# Altium PCB Remote.PcbDoc (part 2 of 2)
Units mm, origin at the board's own origin, x right, y up, seen from the top; angles counter-clockwise.
Board outline 100 x 100 mm, 2 copper layers (Top Layer, Bottom Layer); 130 components, 79 nets, 375 pads, 307 vias.
Unrouted connection lines stored in the file: 69.
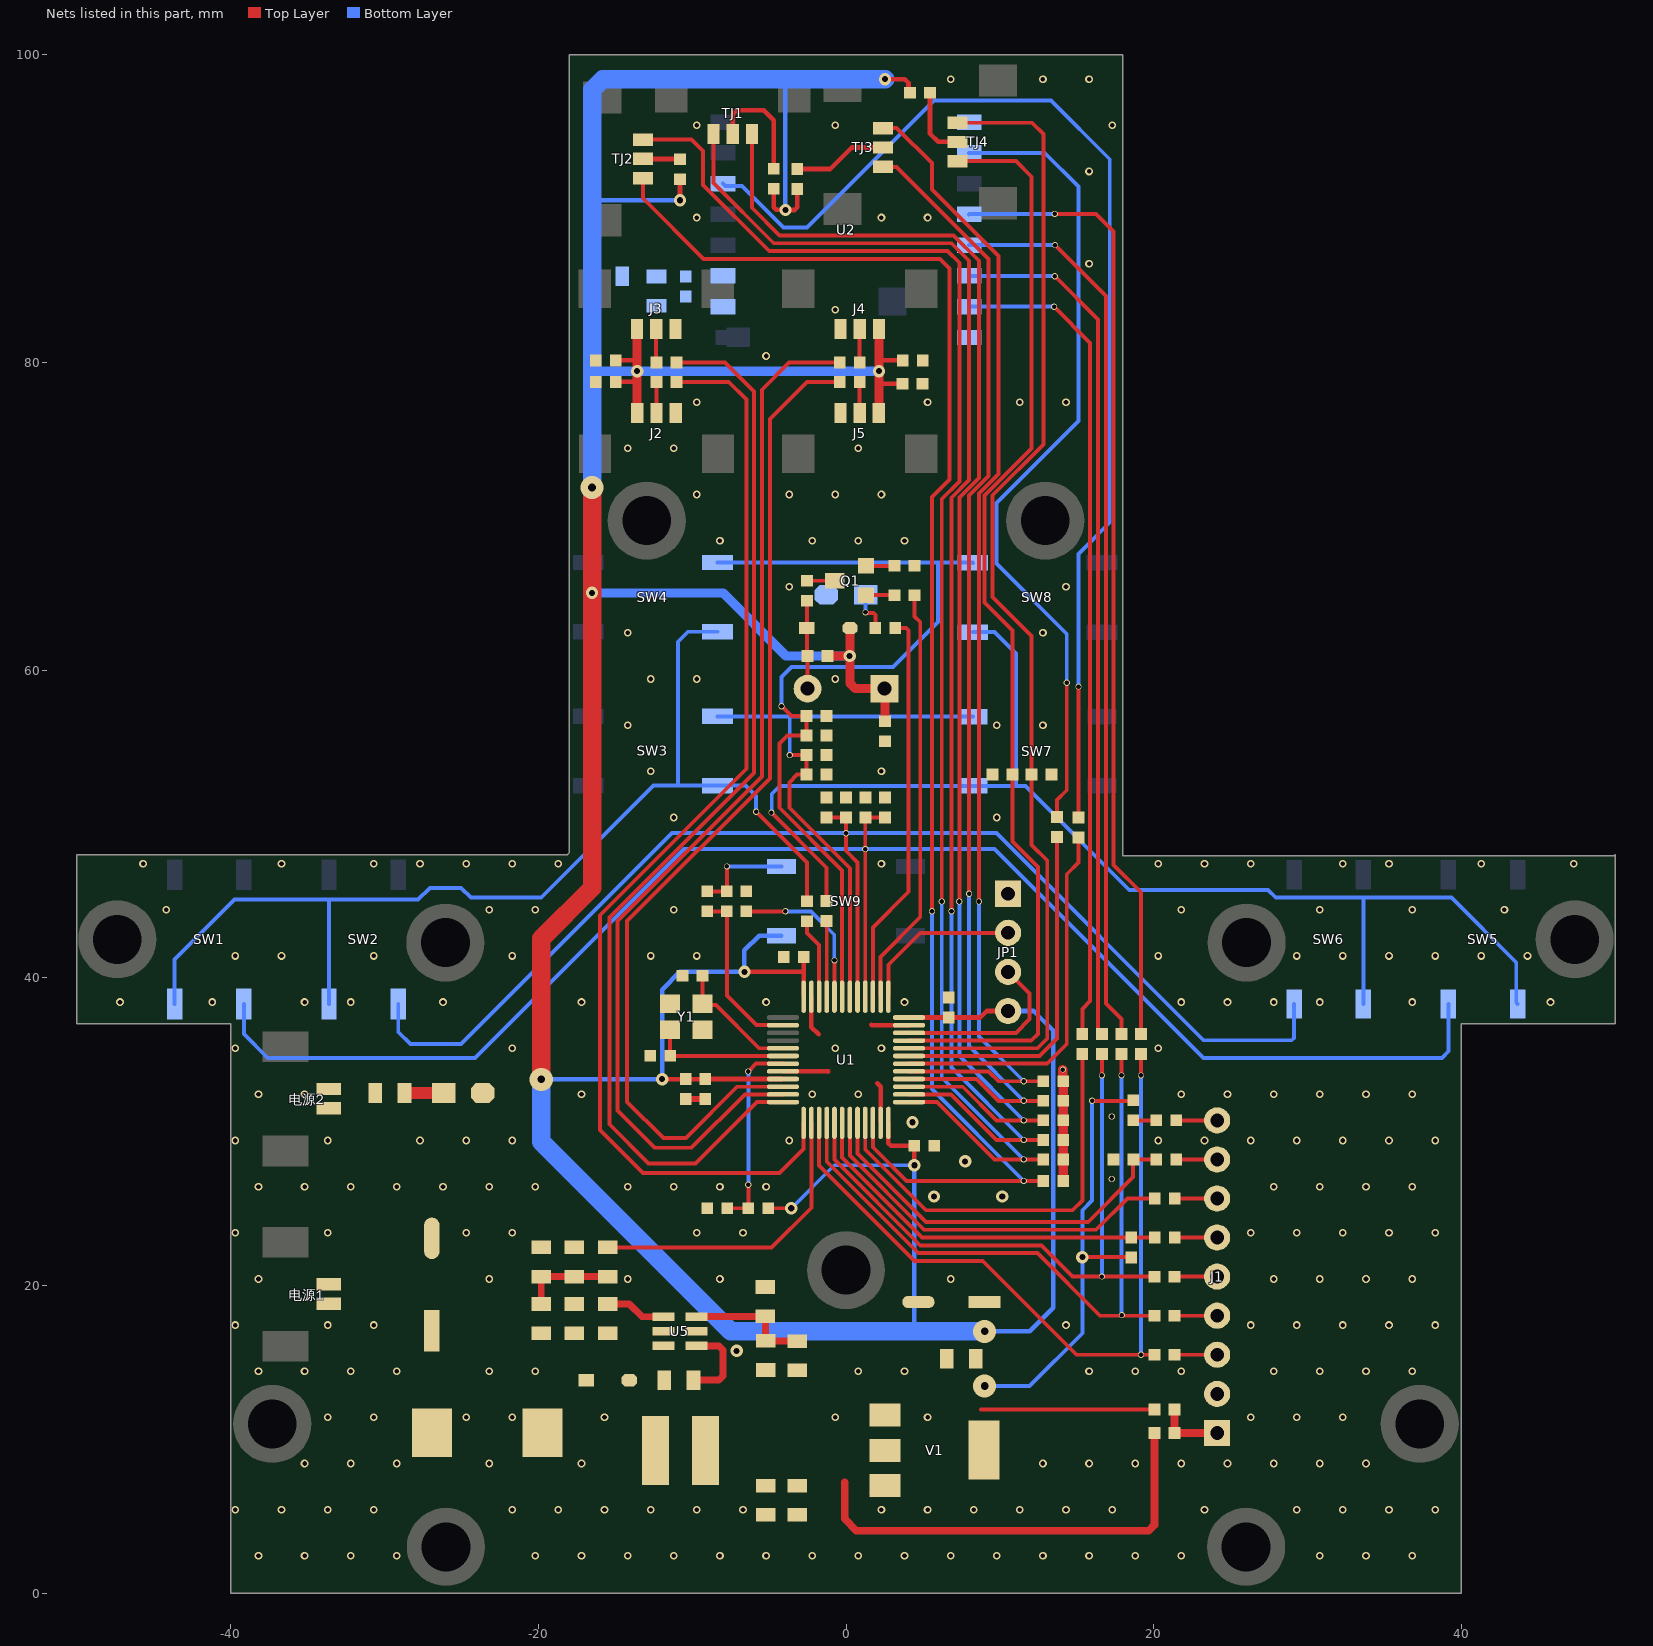
[diagram p2: the nets of this part, all layers, seen from the top]

## Part data
C1 C2 C3 C4 C5 C6 C7 C8 C27 C28: library part 普通电容, "Capacitor"
C9 C10 C11 C12 C13 C14 C15 C16 C17 C18 C19 C20 C21 C22 C23 C24 C25 C26 C32 C33 C34 C35 C36 C37 C38 C39: library part C, "无极性贴片电容", BOM名称=无极性贴片电容, 学习资源=www.ooocke.com, 版权归属=源创客
D1: library part SR540, "肖特基二极管                           电压:40V 电流:1A                 C7420331", BOM名称=整流二极管, 学习资源=www.ooocke.com, 属性="40V  5A", 版权归属=源创客
DZ2: library part 1N4106, "TVS 15V截止 峰值浪涌电流：123A                   C438153", BOM名称=12V/0.5W稳压管, 学习资源=www.ooocke.com, 版权归属=源创客
DZ3: library part 1N5256, "电压:40V 电流:1A                                C7420331", BOM名称=30V/0.5W稳压管, 学习资源=www.ooocke.com, 版权归属=源创客
E1: library part C-CS, "JVJ50V47M6x8                        47uF ±20% 50V                            C46550421", BOM名称=直插固态电容, 学习资源=www.ooocke.com, 版权归属=源创客
E2: library part C-CS, "47uF ±20% 10V                           C48970978", BOM名称=直插固态电容, 学习资源=www.ooocke.com, 版权归属=源创客
J1: "Connector"
J2 J3 J4 J5 TJ1 TJ2 TJ3 TJ4: "HCZZ0015-3             C7433469", LatestRevisionDate=17-Jul-2002, LatestRevisionNote="Re-released for DXP Platform.", PackageReference=AXIAL-0.6, Published=8-Jun-2000, Publisher="Altium Limited", Set Position=0.5
JP1: library part "Header 4", "4P接插件", BOM名称=4P接插件, 学习资源=www.ooocke.com, 版权归属=源创客
L1: library part L-CD, "YP0402-6R8M                          C576569", BOM名称=功率电感, 学习资源=www.ooocke.com, 版权归属=源创客
LED1 LED2: library part LED-SMD, "贴片LED", BOM名称=贴片LED, 学习资源=www.ooocke.com, 版权归属=源创客
Q1: library part IRF840, "N沟场效应管", BOM名称=N沟场效应管, 学习资源=www.ooocke.com, 版权归属=源创客
R1 R2 R3 R4 R5 R6 R8 R9 R10 R11 R29 R31 R32 R33 R34 R35 R36 R37 R38 R47: library part 普通电阻
R7 R12 R13 R14 R15 R16 R17 R18 R19 R20 R21 R22 R23 R24 R25 R26 R27 R28 R39 R40 R41 R42 R43 R44 R45 R46: library part R, "贴片电阻", BOM名称=贴片电阻, 学习资源=www.ooocke.com, 版权归属=源创客
R30: library part R, "磁珠", BOM名称=贴片电阻, 学习资源=www.ooocke.com, 版权归属=源创客
SW1 SW2 SW3 SW4 SW5 SW6 SW7 SW8 SW9: library part "TSW SMD-6x6", "KH-6X6X5H-STM     C2837531", BOM名称=贴片6x6轻触开关, 学习资源=www.ooocke.com, 版权归属=源创客
U1: "Flaah:64/RAM:20/IO:36", BOM名称=32位STM单片机, 学习资源=www.ooocke.com, 版权归属=源创客
U2: "发射功率:22dBm;接口类型:SPI;接收灵敏度:-140dBm;", JLCPCB Part Class="Extended Part", LCSC Part Name="两件套 LoRa 系列模块 两件套", Manufacturer=Ai-Thinker(安信可), Operating Temperature=-40℃~+85℃, Output Power=22dBm, Receive  Current=4.5mA, Send  Current=140mA, Voltage - Supply=3.3V, AddInBom=yes, Antenna Type=IPEX接口, ConvertToPcb=yes, Datasheet=https://item.szlcsc.com/datasheet/Ra-01S/770920.html, Device=Ra-01S, FootprintName=COMM-SMD_RA-01S, Interface Type=SPI, ManufacturerPart=Ra-01S, ModelId=bfb9ea955ff445c193018999188b6f80聨0819f05c4eef4c71ace90d822a990e87, ModelName=COMM-SMD_L17.0-W16.0-H3.2-RA-01S, ModelTransform=629.92,669.29,0,0,0,0,0.001,0,0, Modulation System=LoRa；OOK；MSK；GFSK；FSK；GMSK, Sensitivity=-140dBm, Supplier=LCSC, Supplier Footprint=SMD,17x16mm, SupplierPart=C724871, Symbol=RA-01S
U5: "ME3116AM6G / ME3116是一款内部集成了MOSFET的异步整流降压型稳压器,能够在4.75V至40V的输入电压范围内提供高达1A的负载能力。采用PWM控制模式,具有良好的瞬态响应和逐周期限流功能。在轻载条件下自动切换到PFM模式,保证较高的轻载效率。内置软启动和环路补偿,具有过热关断、输入欠压保护、BS欠压保护和短路保护。", JLCPCB Part Class="Extended Part", Manufacturer=MICRONE(南京微盟), Manufacturer Part=ME3116AM6G, spicePre=U, spiceSymbolName=ME3116, Supplier=LCSC, Supplier Part=C97643
V1: library part AMS1117, "三端稳压芯片", BOM名称=稳压芯片, 学习资源=www.ooocke.com, 版权归属=源创客
Y1: library part XTAL-4P, "4脚无源晶振", BOM名称=4脚无源晶振, 学习资源=www.ooocke.com, 版权归属=源创客
电源1 电源2: LatestRevisionDate=17-Jul-2002, LatestRevisionNote="Re-released for DXP Platform.", PackageReference=AXIAL-0.6, Published=8-Jun-2000, Publisher="Altium Limited", Set Position=0.5

## Via types
v1: diameter 0.5, hole 0.3, Top Layer to Bottom Layer, 246 vias
v2: diameter 0.4, hole 0.3, Top Layer to Bottom Layer, 40 vias
v3: diameter 0.8, hole 0.4, Top Layer to Bottom Layer, 17 vias
v4: diameter 1.5, hole 0.5, Top Layer to Bottom Layer, 4 vias

## Nets (pads, with @x,y where several pads share a name; then routed paths per layer and width w, separated by ;. In a path a pad name is that pad's centre, name@x,y a point inside that pad or via, vN(x,y) a via of type N, cw(c..) or ccw(c..) an arc to the next point about the centre after c; other vN are vias at no path point)
3v3: b1.1 C4.1 C5.1 C6.1 C7.1 C8.1 C9.1 C10.2 C15.1 C16.2 C21.2 C26.2 C36.2 D1.2 E2.1 J2.1 J3.3 J4.1 J5.3 JP1.4 R8.2 R11.2 R24.2 R25.2 R26.2 R27.2 R30.1 R31.1 R33.1 SW9.1 U1.9 U1.24 U1.36 U1.48 V1. V1.2 | length 345.9
  Top Layer w0.254: R11.2@-5.05,25.019 v3(-3.556,25.019) ; 8.763,11.938 R8.2@20.051,11.938 ; v3(15.367,21.844) 18.512,21.844 R31.1@18.542,21.814 ; v2(16.002,32.004) 18.639,32.004 R33.1@18.669,32.034
  Top Layer w0.3: C10.2@-14.971,78.74 -13.706,78.74 -13.579,78.613 ; C9.1@-14.971,80.137 -13.706,80.137 -13.579,80.264 ; v3(-11.953,33.416) C4.1@-10.414,33.416 C5.1@-9.144,33.416 -9.139,33.421 U1.9@-4.1,33.421 ; v3(-10.795,90.551) R25.2@-10.795,91.918 ; v3(-6.604,40.386) -2.75,40.386 ; R24.2@-4.699,91.298 -4.699,90.107 -4.523,89.932 -3.953,89.932 v3(-3.937,89.916) -3.351,89.916 -3.175,90.092 R26.2@-3.175,91.283 ; U1.48@-2.75,38.771 -2.75,40.386 ; C6.1@-2.75,41.358 -2.75,40.386 ; 2.139,78.486 2.266,78.613 C16.2@3.668,78.613 ; 2.139,80.137 C15.1@3.683,80.137 ; v3(2.54,98.425) 3.81,98.425 4.064,98.171 4.064,97.633 R27.2@4.161,97.536 ; U1.24@2.75,30.571 2.75,29.259 2.926,29.083 C8.1@4.445,29.083 v3(4.445,27.813) ; U1.36@4.1,37.421 C7.1@6.687,37.421 8.719,37.421 9.144,37.846 JP1.4@10.541,37.846
  Top Layer w0.6: J3.3@-13.589,82.169 -13.579,82.159 -13.579,80.264 v3(-13.579,79.438) -13.579,78.613 -13.579,76.718 J2.1@-13.569,76.708 ; C21.2@-1.2,60.92 v3(0.235,60.92) v3@0.26,60.945 ; D1.2@0.26,62.738 v3@0.26,60.945 ; J5.3@2.139,76.708 2.139,78.486 v3(2.139,79.438) 2.139,80.137 J4.1@2.139,82.169 ; C26.2@2.54,56.672 2.54,58.761 b1.1@2.5,58.801 0.611,58.801 0.26,59.152 v3@0.26,60.945
  Top Layer w1.2: v4(-19.812,33.401) -19.812,42.545 -16.51,45.847 v4(-16.51,71.882)
  Bottom Layer w0.254: v3(-3.556,25.019) -0.762,27.813 v3(4.445,27.813) ; v4(9.017,13.462) 11.938,13.462 15.367,16.891 v3(15.367,21.844) 15.367,24.892 16.002,25.527 v2(16.002,32.004)
  Bottom Layer w0.3: v4(-19.812,33.401) v3@-11.968,33.401 ; -16.51,90.424 -16.383,90.551 v3(-10.795,90.551) ; v3(-11.953,33.416) -11.953,39.228 -10.795,40.386 v3(-6.604,40.386) -6.604,41.783 -5.648,42.739 SW9.1@-4.2,42.739 ; v3(-3.937,89.916) -3.937,98.425 ; 4.445,17.018 v3(4.445,27.813) ; v4(9.017,17.018) 11.938,17.018 13.462,18.542 13.462,36.576 12.192,37.846 JP1.4@10.541,37.846
  Bottom Layer w0.6: v3(-16.51,65.024) -8.001,65.024 -3.897,60.92 v3(0.235,60.92) ; -16.51,79.438 v3(-13.579,79.438) v3(2.139,79.438)
  Bottom Layer w1.2: v4(-19.812,33.401) -19.812,29.337 -7.493,17.018 4.445,17.018 v4(9.017,17.018) ; v4(-16.51,71.882) -16.51,79.438 -16.51,90.424 -16.51,97.722 -15.807,98.425 -3.937,98.425 v3(2.54,98.425)
3V3_Lora: C27.1 C28.1 R30.2 U2.3
5V: C34.2 C35.2 C38.2 L1.2 R9.2 R43.2 V1.3 | length 29.9
  Top Layer w0.5: -0.09,7.201 -0.09,4.828 0.674,4.064 19.685,4.064 20.051,4.43 R9.2@20.051,10.414 ; V1.3@1.787,6.486 2.286,6.985 V1.3@2.54,6.985
12V: C37.2 DZ2.2 E1.1 R39.2 R41.1 R44.1 U5.5 电源1.1 电源2.1
12V_ADC: R40.2 U1.14 | length 19.8
  Top Layer w0.254: R40.2@-15.494,22.474 -4.831,22.474 -2.25,25.055 U1.14@-2.25,30.571
BEEP: R28.1 U1.38 | length 27.3
  Top Layer w0.254: U1.38@2.25,38.771 2.25,41.366 4.826,43.942 4.826,63.119 4.445,63.5 4.445,64.867 R28.1@4.454,64.876
BUSY: R3.2 U2.10 | length 53.2
  Top Layer w0.254: R3.2@13.716,50.449 13.716,51.562 14.351,52.197 v2(14.351,59.182)
  Bottom Layer w0.254: U2.10@8.001,93.63 12.923,93.63 15.113,91.44 15.113,76.2 9.779,70.866 9.779,66.929 14.351,62.357 v2@14.351,59.309
CH1: R13.2 U1.13 | length 73.2
  Top Layer w0.254: R13.2@-11.019,78.74 -7.62,78.74 -6.477,77.597 -6.477,53.594 -16.002,44.069 -16.002,30.099 -13.208,27.305 -4.318,27.305 -2.75,28.873 U1.13@-2.75,30.571
CH2: R14.2 U1.12 | length 71.3
  Top Layer w0.254: R14.2@-11.019,79.995 -7.859,79.995 -5.969,78.105 -5.969,53.325 -15.367,43.927 -15.367,30.48 -12.827,27.94 -9.779,27.94 -5.798,31.921 U1.12@-4.1,31.921
CH3: R20.2 U1.11 | length 69.7
  Top Layer w0.254: U1.11@-4.1,32.421 -6.568,32.421 -10.033,28.956 -12.446,28.956 -14.859,31.369 -14.859,43.688 -5.461,53.086 -5.461,78.232 -3.698,79.995 R20.2@-0.411,79.995
CH4: R21.2 U1.10 | length 66.2
  Top Layer w0.254: U1.10@-4.1,32.921 -7.084,32.921 -10.414,29.591 -11.874,29.591 -14.224,31.941 -14.224,43.688 -4.953,52.959 -4.953,76.327 -2.54,78.74 R21.2@-0.411,78.74
DIO1: R2.2 U2.6 | length 75
  Top Layer w0.254: R2.2@15.113,50.419 v2(15.113,58.928)
  Bottom Layer w0.254: U2.6@-7.999,91.63 -7.845,91.476 -6.767,91.476 -4.064,88.773 -2.54,88.773 5.715,97.028 13.335,97.028 17.145,93.218 17.145,69.596 15.113,67.564 v2(15.113,58.928)
DS/RS: R1.1 R32.1 U1.20 | length 25.6
  Top Layer w0.254: U1.20@0.75,30.571 0.75,28.572 5.192,24.13 15.748,24.13 18.669,27.051 18.669,28.179 R1.1@18.684,28.194 R32.1@20.178,28.194
GND: C1.1 C2.1 C3.2 C4.2 C5.2 C6.2 C7.2 C8.2 C9.2 C10.1 C11.1 C12.1 C13.1 C14.1 C15.2 C16.1 C17.2 C18.2 C19.2 C20.2 C22.2 C23.2 C24.2 C25.2 C26.1 C27.2 C28.2 C32.1 C35.1 C36.1 C37.1 C38.1 DZ2.1 DZ3.1 E1.2 E2.2 J1.2 J2.3 J3.1 J4.3 J5.1 JP1.1 LED1.2 LED2.2 R1.2 R10.1 R15.2 R16.2 R17.2 R18.2 R23.1 R42.2 R45.1 U1.8 U1.23 U1.35 U1.47 U2.2 U2.9 U2.16 U5.2 V1.1 Y1.2 Y1.4 电源1.2 电源2.2 | length 19.3
  Top Layer w0.3: U1.8@-4.1,33.921 -1.155,33.921 -1.143,33.909 ; U1.47@-2.25,38.771 -2.25,36.794 -1.778,36.322 ; 1.651,36.957 1.687,36.921 U1.35@4.1,36.921 ; 2.032,33.147 2.25,32.929 U1.23@2.25,30.571
  Top Layer w0.4: C4.2@-10.414,32.116 C5.2@-9.144,32.116
  Top Layer w0.6: v2(14.097,34.036) 14.097,33.304 C24.2@14.127,33.274 C19.2@14.127,32.004 C22.2@14.127,30.734 C17.2@14.127,29.464 C23.2@14.127,28.194 C18.2@14.127,26.797
  other v1: -38.197,2.424 -35.197,2.424 -32.197,2.424 -29.197,2.424 -20.197,2.424 -17.197,2.424 -14.197,2.424 -11.197,2.424 -8.197,2.424 -5.197,2.424 -2.197,2.424 0.803,2.424 3.803,2.424 6.803,2.424 9.803,2.424 12.803,2.424 15.803,2.424 18.803,2.424 21.803,2.424 30.803,2.424 33.803,2.424 36.803,2.424 -39.697,5.424 -36.697,5.424 -33.697,5.424 -30.697,5.424 -21.697,5.424 -18.697,5.424 -15.697,5.424 -12.697,5.424 -9.697,5.424 -6.697,5.424 2.303,5.424 5.303,5.424 8.303,5.424 11.303,5.424 14.303,5.424 17.303,5.424 23.303,5.424 29.303,5.424 32.303,5.424 35.303,5.424 38.303,5.424 -35.197,8.424 -32.197,8.424 -29.197,8.424 -23.197,8.424 -17.197,8.424 12.803,8.424 15.803,8.424 18.803,8.424 21.803,8.424 24.803,8.424 27.803,8.424 30.803,8.424 33.803,8.424 -33.697,11.424 -30.697,11.424 -24.697,11.424 -21.697,11.424 -15.697,11.424 -0.697,11.424 5.303,11.424 26.303,11.424 29.303,11.424 32.303,11.424 -38.197,14.424 -35.197,14.424 -32.197,14.424 -29.197,14.424 -23.197,14.424 -20.197,14.424 0.803,14.424 3.803,14.424 15.803,14.424 18.803,14.424 21.803,14.424 27.803,14.424 30.803,14.424 33.803,14.424 36.803,14.424 -39.697,17.424 -33.697,17.424 -30.697,17.424 14.303,17.424 26.303,17.424 29.303,17.424 32.303,17.424 35.303,17.424 38.303,17.424 -38.197,20.424 -23.197,20.424 -14.197,20.424 -8.197,20.424 6.803,20.424 27.803,20.424 30.803,20.424 33.803,20.424 36.803,20.424 -39.697,23.424 -33.697,23.424 -24.697,23.424 -21.697,23.424 -9.697,23.424 -6.697,23.424 26.303,23.424 29.303,23.424 32.303,23.424 35.303,23.424 38.303,23.424 -38.197,26.424 -35.197,26.424 -32.197,26.424 -29.197,26.424 -26.197,26.424 -23.197,26.424 -20.197,26.424 -14.197,26.424 -11.197,26.424 -8.197,26.424 -5.197,26.424 27.803,26.424 30.803,26.424 33.803,26.424 36.803,26.424 -39.697,29.424 -33.697,29.424 -27.697,29.424 -24.697,29.424 -21.697,29.424 -3.697,29.424 20.303,29.424 23.303,29.424 26.303,29.424 29.303,29.424 32.303,29.424 35.303,29.424 38.303,29.424 -38.197,32.424 -35.197,32.424 -17.197,32.424 -2.197,32.424 0.803,32.424 21.803,32.424 24.803,32.424 27.803,32.424 30.803,32.424 33.803,32.424 36.803,32.424 -39.697,35.424 -21.697,35.424 -0.697,35.424 2.303,35.424 20.303,35.424 -47.197,38.424 -41.197,38.424 -35.197,38.424 -32.197,38.424 -26.197,38.424 -17.197,38.424 -5.197,38.424 3.803,38.424 21.803,38.424 24.803,38.424 27.803,38.424 30.803,38.424 36.803,38.424 45.803,38.424 -39.697,41.424 -36.697,41.424 -30.697,41.424 -21.697,41.424 -12.697,41.424 -9.697,41.424 20.303,41.424 29.303,41.424 32.303,41.424 35.303,41.424 38.303,41.424 41.303,41.424 44.303,41.424 -44.197,44.424 -23.197,44.424 -20.197,44.424 -11.197,44.424 21.803,44.424 30.803,44.424 36.803,44.424 42.803,44.424 -45.697,47.424 -36.697,47.424 -30.697,47.424 -27.697,47.424 -24.697,47.424 -21.697,47.424 -18.697,47.424 2.303,47.424 20.303,47.424 23.303,47.424 26.303,47.424 32.303,47.424 35.303,47.424 41.303,47.424 47.303,47.424 -11.197,50.424 9.803,50.424 -12.697,53.424 2.303,53.424 -14.197,56.424 9.803,56.424 12.803,56.424 -12.697,59.424 -9.697,59.424 -0.697,59.424 -14.197,62.424 12.803,62.424 -3.697,65.424 14.303,65.424 -8.197,68.424 -2.197,68.424 0.803,68.424 3.803,68.424 -9.697,71.424 -3.697,71.424 -0.697,71.424 2.303,71.424 -14.197,74.424 -11.197,74.424 0.803,74.424 -9.697,77.424 5.303,77.424 11.303,77.424 14.303,77.424 -5.197,80.424 -0.697,83.424 15.803,86.424 -9.697,89.424 2.303,89.424 5.303,89.424 15.803,92.424 -9.697,95.424 -0.697,95.424 17.303,95.424 6.803,98.424 12.803,98.424 15.803,98.424
  other v2: 17.272,26.924 17.272,30.988
  other v3: -7.112,15.748 5.715,25.781 10.16,25.781 7.747,28.067 4.318,30.607
IN1: R19.2 U1.45 | length 4.9
  Top Layer w0.254: R19.2@-1.27,43.688 -1.25,43.668 U1.45@-1.25,38.771
IN2: R12.2 U1.46 | length 5.2
  Top Layer w0.254: R12.2@-2.54,43.673 -2.54,42.926 -1.75,42.136 U1.46@-1.75,38.771
KEY1: C11.2 R15.1 SW1.1 SW5.2 U1.40 | length 108.4
  Top Layer w0.254: U1.40@1.25,38.771 v2(1.25,48.367) 1.25,50.399 R15.1@1.27,50.419 C11.2@2.54,50.419
  Bottom Layer w0.254: SW1.1@-39.141,38.3 -39.141,36.347 -37.592,34.798 -24.13,34.798 -10.541,48.387 1.23,48.387 v2(1.25,48.367) 1.27,48.387 9.652,48.387 23.241,34.798 38.735,34.798 39.163,35.226 SW5.2@39.163,38.3
KEY2: C12.2 R16.1 SW2.1 SW6.2 U1.41 | length 87.1
  Top Layer w0.254: C12.2@-1.27,50.419 R16.1@0,50.419 v2(0,49.403) 0,48.26 0.75,47.51 U1.41@0.75,38.771
  Bottom Layer w0.254: SW2.1@-29.108,38.3 -29.108,36.474 -28.321,35.687 -25.019,35.687 -11.303,49.403 v2(0,49.403) 9.779,49.403 23.241,35.941 28.981,35.941 29.13,36.09 SW6.2@29.13,38.3
KEY3: C13.2 R17.1 SW3.1 SW7.2 U1.42 | length 38.3
  Top Layer w0.254: v2@-3.683,54.483 R17.1@-2.57,54.483 C13.2@-2.57,53.213 -3.175,53.213 -3.683,52.705 -3.683,51.054 0.25,47.121 U1.42@0.25,38.771
  Bottom Layer w0.254: SW3.1@-8.354,56.998 -3.785,56.998 8.225,56.998 SW7.2@8.246,56.976 ; v2(-3.656,54.479) -3.656,56.869
KEY4: C14.2 R18.1 SW4.1 SW8.2 U1.43 | length 57.3
  Top Layer w0.254: v2(-4.191,57.658) -3.556,57.023 R18.1@-2.57,57.023 C14.2@-2.57,55.753 -3.81,55.753 -4.318,55.245 -4.318,51.054 -0.25,46.986 U1.43@-0.25,38.771
  Bottom Layer w0.254: SW4.1@-8.354,66.998 5.969,66.998 ; v2(-4.191,57.658) -4.191,59.563 -3.556,60.198 3.048,60.198 5.969,63.119 5.969,66.998 ; SW8.2@8.246,66.976 8.225,66.998 5.969,66.998
LCD_LED: R31.2 R34.1 U1.18 | length 24.7
  Top Layer w0.254: U1.18@-0.25,30.571 -0.25,28.317 4.953,23.114 R31.2@18.542,23.114 R34.1@20.066,23.114
Netb1_2: b1.2 C21.1 D1.1 R22.1 | length 5.7
  Top Layer w0.254: R22.1@-2.54,64.516 D1.1@-2.54,62.738 -2.54,60.96 C21.1@-2.5,60.92 b1.2@-2.5,58.801
NetC1_2: C1.2 U1.6 Y1.3 | length 9
  Top Layer w0.254: Y1.3@-11.43,36.615 C1.2@-11.43,34.925 -8.386,34.925 -8.382,34.921 U1.6@-4.1,34.921
NetC2_2: C2.2 U1.5 Y1.1 | length 8.2
  Top Layer w0.254: C2.2@-9.33,40.132 Y1.1@-9.33,38.315 -9.239,38.224 -8.448,38.224 -5.645,35.421 U1.5@-4.1,35.421
NetC3_1: C3.1 R11.1 U1.7 | length 12.7
  Top Layer w0.254: C3.1@-7.722,25.019 R11.1@-6.35,25.019 v2(-6.35,26.543) ; v2(-6.35,33.909) -5.838,34.421 U1.7@-4.1,34.421
  Bottom Layer w0.254: v2(-6.35,26.543) v2(-6.35,33.909)
NetC32_2: C32.2 R39.1 R40.1 R42.1 | length 6.1
  Top Layer w0.45: R39.1@-19.812,18.791 C32.2@-19.812,20.574 R42.1@-17.653,20.574 R40.1@-15.494,20.574
NetC33_1: C33.1 DZ3.2 L1.1 U5.6
NetC33_2: C33.2 U5.1 | length 5.5
  Top Layer w0.45: C33.2@-9.911,13.843 -8.265,13.843 -8.001,14.107 -8.001,15.804 -8.265,16.068 U5.1@-9.72,16.068
NetC34_1: C34.1 R43.1 R45.2 U5.3 | length 8.2
  Top Layer w0.45: U5.3@-9.72,17.968 -9.703,17.985 -5.256,17.985 R45.2@-5.24,18.001 -5.232,17.993 -5.232,16.408 R43.1@-5.223,16.399 -5.213,16.389 -3.186,16.389 C34.1@-3.175,16.378
NetC39_1: C39.1 R46.2 SW9.2 | length 6.4
  Top Layer w0.254: C39.1@-9.017,45.623 R46.2@-7.747,45.623 v2(-7.747,47.244)
  Bottom Layer w0.254: v2(-7.747,47.244) -4.205,47.244 SW9.2@-4.2,47.239
NetJ1_1: J1.1 R8.1 R9.1 | length 4.3
  Top Layer w0.5: R8.1@21.351,11.938 R9.1@21.351,10.414 J1.1@24.13,10.414
NetJ1_3: J1.3 R4.2 | length 2.8
  Top Layer w0.254: R4.2@21.351,15.494 J1.3@24.13,15.494
NetJ1_4: J1.4 R5.2 | length 2.8
  Top Layer w0.254: R5.2@21.351,18.034 J1.4@24.13,18.034
NetJ1_5: J1.5 R6.2 | length 2.8
  Top Layer w0.254: R6.2@21.351,20.574 J1.5@24.13,20.574
NetJ1_6: J1.6 R34.2 | length 2.8
  Top Layer w0.254: R34.2@21.366,23.114 J1.6@24.13,23.114
NetJ1_7: J1.7 R35.2 | length 2.8
  Top Layer w0.254: R35.2@21.366,25.654 J1.7@24.13,25.654
NetJ1_8: J1.8 R32.2 | length 2.7
  Top Layer w0.254: R32.2@21.478,28.194 J1.8@24.13,28.194
NetJ1_9: J1.9 R36.1 | length 2.7
  Top Layer w0.254: R36.1@21.478,30.734 J1.9@24.13,30.734
NetJ2_2: J2.2 R13.1 | length 2
  Top Layer w0.254: J2.2@-12.319,76.708 R13.1@-12.319,78.74
NetJ3_2: J3.2 R14.1 | length 2.2
  Top Layer w0.254: J3.2@-12.339,82.169 -12.339,80.015 R14.1@-12.319,79.995
NetJ4_2: J4.2 R20.1 | length 2.2
  Top Layer w0.254: R20.1@0.889,79.995 J4.2@0.889,82.169
NetJ5_2: J5.2 R21.1 | length 2
  Top Layer w0.254: J5.2@0.889,76.708 R21.1@0.889,78.74
NetLED1_1: LED1.1 R41.2 | length 2.5
  Top Layer w0.8: R41.2@-28.702,32.512 LED1.1@-26.162,32.512
NetLED2_1: LED2.1 R7.2 | length 2.7
  Top Layer w0.254: v2(1.27,63.754) 1.298,63.726 1.784,63.726 1.905,63.605 R7.2@1.905,62.738
  Bottom Layer w0.254: v2(1.27,63.754) LED2.1@1.27,64.897
NetQ1_1: Q1.1 R28.2 | length 1.9
  Top Layer w0.254: Q1.1@1.3,64.876 R28.2@3.154,64.876 R28.2@3.175,64.897
NetQ1_2: Q1.3 R22.2 | length 1.9
  Top Layer w0.254: R22.2@-2.54,65.816 Q1.3@-0.732,65.816 Q1.3@-0.635,65.913
NetQ1_3: Q1.2 R23.2 | length 1.9
  Top Layer w0.254: Q1.2@1.3,66.781 R23.2@3.154,66.781
NetR2_1: R2.1 U1.30 | length 24.5
  Top Layer w0.254: U1.30@4.1,34.421 13.085,34.421 14.351,35.687 14.351,46.736 15.113,47.498 R2.1@15.113,49.119
NetR3_1: R3.1 U1.31 | length 23.2
  Top Layer w0.254: U1.31@4.1,34.921 12.569,34.921 13.716,36.068 R3.1@13.716,49.149
NetR10_2: R10.2 U1.44 | length 10.4
  Top Layer w0.254: R10.2@-6.462,44.323 v2(-3.937,44.323) ; U1.44@-0.75,38.771 v2(-0.75,41.136)
  Bottom Layer w0.254: v2(-3.937,44.323) -2.286,44.323 -0.762,42.799 -0.762,41.148 v2(-0.75,41.136)
NetR12_1: R12.1 SW1.2 SW2.2 SW3.2 SW4.2 | length 73.4
  Top Layer w0.254: v2(-5.842,50.8) -2.54,47.498 R12.1@-2.54,44.973
  Bottom Layer w0.254: SW1.2@-43.641,38.3 -43.641,41.195 -39.751,45.085 -33.608,45.085 ; SW2.2@-33.608,38.3 -33.608,45.085 ; SW4.2@-8.354,62.498 -10.273,62.498 -10.922,61.849 -10.922,52.498 ; v2(-5.842,50.8) -5.842,51.816 -6.524,52.498 SW3.2@-8.354,52.498 -10.922,52.498 ; -33.608,45.085 -27.813,45.085 -27.051,45.847 -25.019,45.847 -24.384,45.212 -19.812,45.212 -12.526,52.498 -10.922,52.498
NetR19_1: R19.1 SW5.1 SW6.1 SW7.1 SW8.1 | length 83.5
  Top Layer w0.254: v2(-4.853,50.739) -1.27,47.157 R19.1@-1.27,44.988
  Bottom Layer w0.254: v2(-4.853,50.739) -4.826,50.766 -4.826,51.943 -4.293,52.476 SW7.1@8.246,52.476 11.024,52.476 ; SW8.1@8.246,62.476 9.66,62.476 11.049,61.087 11.049,52.476 11.659,52.476 18.415,45.72 27.432,45.72 27.94,45.212 33.655,45.212 ; SW6.1@33.63,38.3 33.63,45.187 33.655,45.212 ; SW5.1@43.663,38.3 43.576,38.387 43.576,41.006 39.37,45.212 33.655,45.212
NetR24_1: R24.1 TJ1.2 | length 7.5
  Top Layer w0.3: TJ1.2@-7.366,94.869 -7.366,96.139 -7.112,96.393 -5.334,96.393 -4.699,95.758 R24.1@-4.699,92.598
NetR25_1: R25.1 TJ2.2 | length 2.4
  Top Layer w0.3: TJ2.2@-13.208,93.238 -13.198,93.228 -10.805,93.228 R25.1@-10.795,93.218
NetR26_1: R26.1 TJ3.2 | length 6.2
  Top Layer w0.3: R26.1@-3.175,92.583 -1.016,92.583 0.381,93.98 TJ3.2@2.413,93.98
NetR27_1: R27.1 TJ4.2 | length 4.7
  Top Layer w0.3: R27.1@5.461,97.536 5.461,94.869 5.989,94.341 TJ4.2@7.239,94.341
NetR29_2: R29.2 U2.15 | length 54
  Top Layer w0.254: v2(13.526,83.63) 15.875,81.281 15.875,38.481 15.367,37.973 R29.2@15.367,36.352
  Bottom Layer w0.254: U2.15@8.001,83.63 v2(13.526,83.63)
NetR37_2: R37.2 U2.14 | length 56.1
  Top Layer w0.254: v2(13.573,85.614) 16.383,82.804 16.383,36.606 R37.2@16.637,36.352
  Bottom Layer w0.254: U2.14@8.001,85.63 13.557,85.63 v2(13.573,85.614) v2@13.589,85.598
NetR38_2: R38.2 U2.13 | length 58.7
  Top Layer w0.254: v2(13.589,87.63) 16.891,84.328 16.891,38.332 17.907,37.316 R38.2@17.907,36.352
  Bottom Layer w0.254: U2.13@8.001,87.63 v2(13.589,87.63)
NetR44_2: R44.2 U5.4 | length 4
  Top Layer w0.45: R44.2@-15.494,18.791 -14.092,18.791 -13.269,17.968 U5.4@-11.87,17.968
NetR47_2: R47.2 U2.12 | length 62.8
  Top Layer w0.254: v2(13.572,89.66) 16.258,89.66 17.399,88.519 17.399,47.344 19.177,45.566 R47.2@19.177,36.352
  Bottom Layer w0.254: U2.12@8.001,89.63 8.031,89.66 v2(13.572,89.66)
POWMER_KEY: C39.2 R46.1 U1.2 | length 11.2
  Top Layer w0.254: C39.2@-9.017,44.323 R46.1@-7.747,44.323 -7.747,38.862 -5.806,36.921 U1.2@-4.1,36.921
RESET: R33.2 R36.2 | length 1.5
  Top Layer w0.254: R33.2@18.669,30.734 R36.2@20.178,30.734
SPI1_CS: R35.1 U1.19 | length 24.8
  Top Layer w0.254: U1.19@0.25,30.571 0.25,28.452 5.08,23.622 16.256,23.622 18.288,25.654 R35.1@20.066,25.654
SPI1_MISO: R5.1 R38.1 U1.16 | length 45
  Top Layer w0.254: U1.16@-1.25,30.571 -1.25,28.047 4.699,22.098 12.446,22.098 16.51,18.034 R5.1@20.051,18.034 ; v2(17.907,33.655) R38.1@17.907,35.052
  Bottom Layer w0.254: v2(17.907,33.655) 17.92,33.642 17.92,18.085 v2(17.933,18.072)
SPI1_MOSI: R6.1 R37.1 U1.17 | length 40.8
  Top Layer w0.254: U1.17@-0.75,30.571 -0.75,28.182 4.826,22.606 12.7,22.606 14.732,20.574 R6.1@20.051,20.574 ; v2(16.637,33.655) R37.1@16.637,35.052
  Bottom Layer w0.254: v2(16.637,20.574) v2(16.637,33.655)
SPI1_SCK: R4.1 R47.1 U1.15 | length 49.2
  Top Layer w0.254: U1.15@-1.75,30.571 -1.75,27.792 4.452,21.59 8.89,21.59 14.986,15.494 R4.1@20.051,15.494 ; v2(19.177,33.655) R47.1@19.177,35.052
  Bottom Layer w0.254: v2(19.177,15.494) v2(19.177,33.655)
STATE_LED: R7.1 U1.39 | length 25.7
  Top Layer w0.254: U1.39@1.75,38.771 1.75,43.279 4.064,45.593 4.064,62.589 3.915,62.738 R7.1@3.205,62.738
SWCLK: JP1.2 U1.37 | length 10.7
  Top Layer w0.254: U1.37@2.75,38.771 2.75,40.85 4.826,42.926 JP1.2@10.541,42.926
SWDIO: JP1.3 U1.34 | length 11.9
  Top Layer w0.254: U1.34@4.1,36.421 11.048,36.421 11.938,37.311 11.938,38.989 JP1.3@10.541,40.386
SX1268_CS: R29.1 U1.21 | length 27.3
  Top Layer w0.254: U1.21@1.25,30.571 1.25,28.849 5.207,24.892 14.732,24.892 15.367,25.527 R29.1@15.367,35.052
TW1: C17.1 TJ1.3 U1.26 | length 91.4
  Top Layer w0.254: TJ1.3@-8.616,94.869 -8.616,91.674 -4.699,87.757 6.858,87.757 8.001,86.614 8.001,72.353 6.858,71.21 v2(6.858,44.323) ; U1.26@4.1,32.421 6.822,32.421 9.779,29.464 v2(11.557,29.464) C17.1@12.827,29.464
  Bottom Layer w0.254: v2(6.858,44.323) 6.858,34.163 v2(11.557,29.464)
TW2: C22.1 TJ1.1 U1.27 | length 88.8
  Top Layer w0.254: TJ1.1@-6.116,94.869 -6.116,90.063 -4.318,88.265 6.985,88.265 8.636,86.614 8.636,72.488 7.366,71.218 v2(7.366,44.958) ; U1.27@4.1,32.921 7.592,32.921 9.779,30.734 v2(11.557,30.734) C22.1@12.827,30.734
  Bottom Layer w0.254: v2(7.366,44.958) 7.366,34.925 v2(11.557,30.734)
TW3: C18.1 TJ2.3 U1.22 | length 99
  Top Layer w0.254: TJ2.3@-13.208,91.988 -13.208,90.678 -9.271,86.741 6.115,86.741 6.731,86.125 6.731,72.39 5.588,71.247 v2(5.588,44.323) ; U1.22@1.75,30.571 1.75,28.984 3.937,26.797 v2(11.557,26.797) C18.1@12.827,26.797
  Bottom Layer w0.254: v2(5.588,44.323) 5.588,32.766 v2(11.557,26.797)
TW4: C23.1 TJ2.1 U1.25 | length 96.4
  Top Layer w0.254: TJ2.1@-13.208,94.488 -10.033,94.488 -9.289,93.744 -9.289,91.549 -4.989,87.249 6.604,87.249 7.366,86.487 7.366,72.263 6.223,71.12 v2(6.223,44.958) ; U1.25@4.1,31.921 5.925,31.921 9.652,28.194 v2(11.557,28.194) C23.1@12.827,28.194
  Bottom Layer w0.254: v2(6.223,44.958) 6.223,33.528 v2(11.557,28.194)
TW5: C19.1 TJ3.3 U1.28 | length 75.4
  Top Layer w0.254: TJ3.3@2.413,92.73 2.426,92.717 3.295,92.717 9.271,86.741 9.271,72.622 8.001,71.352 v2(8.001,45.466) ; U1.28@4.1,33.421 8.489,33.421 9.906,32.004 v2(11.557,32.004) C19.1@12.827,32.004
  Bottom Layer w0.254: v2(8.001,45.466) 8.001,35.56 v2(11.557,32.004)
TW6: C24.1 TJ3.1 U1.29 | length 76.3
  Top Layer w0.254: TJ3.1@2.413,95.23 2.44,95.257 3.295,95.257 5.588,92.964 5.588,91.249 9.906,86.931 9.906,72.756 8.636,71.486 v2(8.636,44.958) ; U1.29@4.1,33.921 9.259,33.921 9.906,33.274 v2(11.557,33.274) C24.1@12.827,33.274
  Bottom Layer w0.254: v2(8.636,44.958) 8.636,36.195 v2(11.557,33.274)
TW7: C20.1 TJ4.3 U1.32 | length 76.8
  Top Layer w0.254: U1.32@4.1,35.421 12.446,35.421 13.081,36.056 13.081,47.625 12.065,48.641 C20.1@12.065,53.213 12.065,62.23 9.525,64.77 9.525,71.374 12.827,74.676 12.827,94.869 12.105,95.591 TJ4.3@7.239,95.591
TW8: C25.1 TJ4.1 U1.33 | length 72.2
  Top Layer w0.254: U1.33@4.1,35.921 12.045,35.921 12.476,36.352 12.476,47.214 10.825,48.865 C25.1@10.825,53.213 10.825,62.581 9.017,64.389 9.017,71.367 12.065,74.415 12.065,92.075 11.049,93.091 TJ4.1@7.239,93.091
pads on no net: J2.0 J3.0 J4.0 J5.0 J6.1 J7.1 J8.1 J9.1 J10.1 J11.1 J12.1 J13.1 J14.1 J15.1 J16.1 SW1.3 SW1.4 SW2.3 SW2.4 SW3.3 SW3.4 SW4.3 SW4.4 SW5.3 SW5.4 SW6.3 SW6.4 SW7.3 SW7.4 SW8.3 SW8.4 SW9.3 SW9.4 TJ1.0 TJ2.0 TJ3.0 TJ4.0 U1.1 U1.3 U1.4 U2.1 U2.1/1 U2.4 U2.5 U2.7 U2.8 U2.11 U2.17 电源1.0 电源2.0

## Polygon pours and split planes (outlines as drawn)
GND on Top Layer "GND_L01_P002" (solid, pour order 2): -40,0 -40,37 -50,37 -50,48 -18.121,48 -18,48.121 -18,100 18,100 18,47.926 49.926,47.926 50,48 50,37 40,37 40,0
5V on Top Layer "5V_L01_P001" (solid, remove dead copper, pour order 1): -6.858,15.113 -6.858,13.081 -8.128,11.811 -10.287,11.811 -10.287,6.35 -2.286,6.35 -2.286,15.113
NetC33_1 on Top Layer "NETC33_1_L01_P000" (solid, remove dead copper, pour order 0): -11.303,16.51 -12.827,16.51 -14.732,14.605 -14.732,6.858 -11.303,6.858
GND on Bottom Layer "GND_L02_P003" (solid, pour order 3): -40,0 -40,37 -50,37 -50,48 -18.121,48 -18,48.121 -18,100 18,100 18,47.926 49.926,47.926 50,48 50,37 40,37 40,0

## Other copper
Top Layer:
  rectangle net 3v3: 1.397,8.509 10.16,10.033
  rectangle net 3v3: 7.874,7.239 10.16,19.431
  rectangle net 5V: -3.937,6.223 3.683,8.001
  rectangle net 12V: -27.559,16.637 -11.049,17.399
  rectangle net 12V: -27.559,8.89 -26.289,20.447
  rectangle net 12V: -31.496,19.939 -30.099,33.02
  rectangle net 12V: -34.544,32.258 -30.099,33.274
  rectangle net 12V: -34.671,19.558 -26.289,20.574
Bottom Layer:
  rectangle net 3V3_Lora: -14.986,85.09 -6.985,86.106

## Silkscreen, mask and mechanical layers (free items; w line width, h text height)
Mechanical 1:
  lines w0.254: -18.121,48 -50,48 -50,37 -40,37 -40,0 40,0 40,37 50.038,37 50.038,47.926 18,47.926 18,100 -18,100 -18,48.121